# KiCad board cell-sim.kicad_pcb (continued)
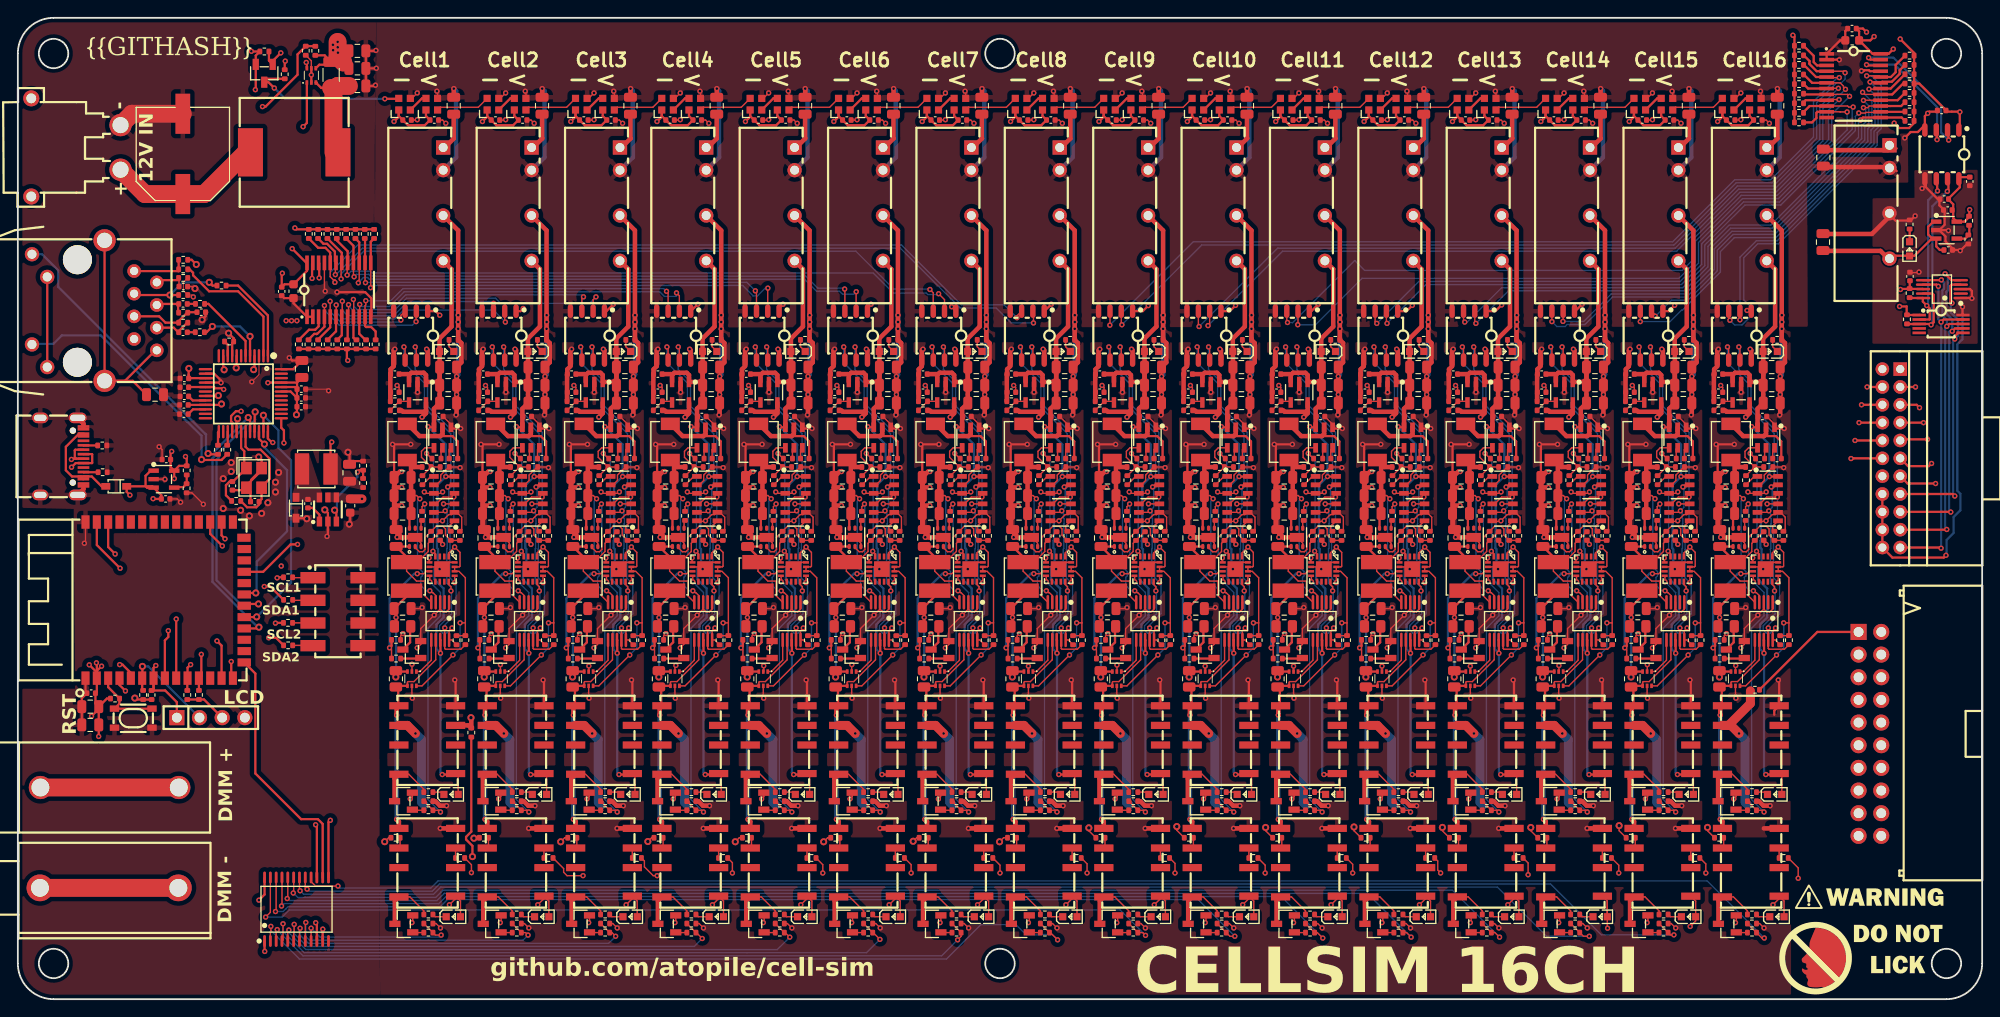
[diagram p0: board, top side]
## Routing (per net, layer and track width the routed paths; a pad name or vN(x,y) marks a point on that pad's centre or on a via; arc(x,y) is an arc through that point) (continued)
CELL14_I2C_SCL: length 44.2
  Top w0.15: v2(176.59,57.41) 176.82,57.65 U206.5 ; v2(176.31,54.74) 176.14,54.57 U208.5 ; v2(176.95,45.76) 176.95,46.24 176.7,46.49 U213.12 ; U214.6 171.81,72.98 v2(171.68,73.11) ; R414.1 177.03,40.27 U205.10 176.75,41.29 v2(177.06,41.61)
  Bottom w0.15: v2(177.06,41.61) 176.49,41.04 176.02,41.04 175.68,41.38 175.68,41.85 177.02,43.19 177.02,45.7 v2(176.95,45.76) 176.95,45.76 176.95,46.17 176.48,46.64 176.48,50.48 176.54,50.53 176.54,53.27 176.57,53.31 176.57,53.86 176.51,53.93 176.51,54.54 v2(176.31,54.74) 176.69,55.13 176.69,57.14 176.92,57.36 176.92,63.39 173.97,66.35 173.97,69.05 171.68,71.33 v2(171.68,73.11)
CELL14_I2C_SDA: length 44
  Top w0.15: U208.4 175.31,55.52 176.08,56.28 v2(177.27,56.28) ; v2(172.95,73.11) 173.07,72.99 U214.7 ; R413.1 178.06,39.23 176.33,39.23 176.25,39.31 U205.9 176.25,41.61 v2(176.25,41.62) ; v2(177.36,46.7) U213.13
  Bottom w0.15: v2(176.25,41.62) 176.25,41.93 177.52,43.2 177.52,46.53 v2(177.36,46.7) 176.83,47.23 176.83,50.4 176.84,50.41 176.84,53.15 177.27,53.58 v2(177.27,56.28) 177.27,63.54 174.32,66.49 174.32,69.21 172.95,70.57 v2(172.95,73.11)
CELL14_LDO_ENABLE: length 7.7
  Top w0.15: U213.5 174.5,49 v2(174.5,49.46) ; R402.1 173.71,55.21 v2(174.01,55.51)
  Bottom w0.15: v2(174.01,55.51) 174.03,55.48 174.03,49.93 v2(174.5,49.46)
CELL14_LDO_POWER_OUT_VCC: length 15.6
  Top w0.15: 175.74,52.4 175.71,52.4 R400.1 174.41,51.1 174.41,50.18 173.22,48.99 L30.1 171.98,47.97 173.09,46.87 174.01,46.87 174.01,45.23 U205.5
  Top w0.25: 172,48.99 172,49.56 C259.1 170.82,50.73 U209.1
CELL14_OUTPUT_RELAY_CONTROL: length 30.4
  Top w0.15: v2(174.58,46.78) 174.58,47.43 U213.8 ; R405.1 175.58,21.18 v2(175.78,20.98) ; 174.93,21.18 174.17,21.94 174.17,22.19
  Bottom w0.15: v2(174.58,46.78) 175.78,45.58 175.78,42.98 174.38,41.58 174.38,22.38 v2(175.78,20.98)
cell15-led_data: length 6.1
  Top w0.15: U244.4 189.9,99.97 185.65,99.97 U229.2
cell15-vcc: length 38.2
  Top w1: U225.6 181.96,30.69 v2(182.87,29.78)
  In1.Cu w0.5: v2(182.87,29.78) 183.62,29.03 193.32,29.03 202.91,38.62 U246.3
  Bottom w1: v2(182.87,29.78) 183.55,29.11 183.55,22.08 183.87,21.75
cell15.buck.ctrl_resistor-vfb: length 6.2
  Top w0.15: U221.4 183.94,61.8 183.55,61.41 183.55,60.73 R421.2 ; R422.1 R421.2 ; R421.2 184.62,59.65 R420.2
cell15.buck.dac-vout: length 1.7
  Top w0.15: R420.1 184.59,58.6 U220.1
cell15.buck.regulator-en: length 1.3
  Top w0.15: U221.5 185.74,61.64 R423.2
cell15.buck.regulator-sw: length 9.5
  Top w0.25: C273.2 187.6,62.52 187,63.12 185.66,63.12
  Top w0.5: L31.1 183.33,63.12 185.66,63.12 185.9,63.35 U221.2
cell15.buck.regulator-vbst: length 1.3
  Top w0.15: U221.6 186.64,61.6 C273.1
cell15.dmm_relay-gnd: length 1.1
  Top w0.15: U226.3 187.36,16.94 R443.1
cell15.dmm_relay-vcc: length 1.2
  Top w0.15: R442.1 181.15,17.08 U226.6
cell15.dmm_relay.fet-gate: length 1.3
  Top w0.15: Q44.1 182.6,7.46 R433.2
cell15.dmm_relay.indicator_led.resistor-cathode: length 1.6
  Top w0.15: R432.1 185.08,9.24 LED46.1
cell15.dmm_relay.relay-gnd: length 7.1
  Top w0.15: R432.2 183.81,9.9 182.24,11.46 U226.8
  Top w0.5: U226.8 180.57,11.01 Q44.3
cell15.gpio-p4: length 13.5
  Top w0.15: R435.1 180.19,39.16 v2(179.97,39.38) ; U227.7 184.05,47.96 183.78,47.69 v2(183.07,47.69)
  Top w0.25: R436.1 180.19,39.6 v2(179.97,39.38)
  Bottom w0.25: v2(179.97,39.38) 179.97,44.92 182.74,47.69 v2(183.07,47.69)
cell15.internal_ldo.feedback_div-out: length 2.6
  Top w0.15: R440.2 181.07,67.02 R441.1 182.02,67.02 U231.4
cell15.isolated_converter.led.resistor-cathode: length 1.5
  Top w0.15: R419.1 186.64,73.13 LED44.1
cell15.ldo.ctrl_resistor-fb: length 8.5
  Top w0.15: R424.2 186.24,52.02 186.24,52.71 185.9,53.05 185.23,53.05 R425.2 183.96,51.77 183.96,50.42 183.69,50.15 183.31,50.15 182.85,50.61 U223.2 182.85,50.56 ; 187.64,51.43 186.63,51.43
cell15.ldo.dac-vout: length 1.4
  Top w0.15: U222.1 186.62,53 186.62,52.44
cell15.ldo.regulator-en: length 0.9
  Top w0.15: R427.2 183.5,53.56 U223.4
cell15.load_switch.fet-gate: length 2.3
  Top w0.25: Q45.1 183.4,38.18 R435.2
cell15.load_switch.fet-n: length 3
  Top w0.25: R437.2 182.27,41.72 182.27,40 Q45.3
cell15.output_relay.fet-gate: length 1.6
  Top w0.15: Q43.1 182.6,21.18 184.06,21.18
cell15.output_relay.indicator_led.resistor-cathode: length 1.3
  Top w0.15: R429.1 185.81,23.21 LED45.1
cell15.output_relay.relay-gnd: length 7
  Top w0.15: U225.8 182.13,25.21 183.81,23.53 R429.2
  Top w0.5: U225.8 180.53,24.72 Q43.3
cell15.voltage_led.ic-vcc: length 2.3
  Top w0.25: U229.4 183.6,100.97 U230.2
CELL15_3V3_VCC: length 34.1
  Top w0.15: v2(186.02,55.52) 186.02,55.52 U222.3 ; v2(183.87,56.86) 184.02,56.7 U220.3 185.76,56.7 v2(185.91,56.86) ; v2(187.07,38.58) 183.61,35.12 U224.6 ; v2(187.87,42.18) 188.46,42.18 ; 188.46,42.18 R438.2 188.45,40.74 R439.2 ; 188.46,42.18 188.46,47.24 187.74,47.96 U227.14 U227.15 187.78,48.46 187.87,48.54 187.87,50.08 v2(187.26,50.69) 186.6,50.03 U227.1 ; C280.1 181.04,68.57 v2(180.82,68.79)
  Top w0.5: v2(184.12,72.86) 184.24,72.74 U228.8 ; 184.05,66 184.05,65.68 v2(183.61,65.24) ; 184.05,66 183.9,65.84 181.48,65.84 181.33,66 ; 184.05,66 U231.5
  Bottom w0.15: v2(187.87,42.18) 187.87,39.38 v2(187.07,38.58)
CELL15_5V_VCC: length 77.2
  Top w0.15: LED45.2 187.66,25 U225.1 ; 185.58,70.85 C266.1
  Top w0.25: C269.1 184.95,65.25 U221.3 184.35,64.1 v2(184.27,64.18) ; v2(185.87,25.18) 187.26,25.18 U225.1 ; v2(186.27,58.58) 187.22,58.58 U220.6 ; v2(185.67,38.78) 185.67,40.24 U219.8
  Top w0.5: 182.15,69.96 182.41,70.21 183.8,70.21 184.05,69.96 U231.1 185.23,69.18 C268.1 185.58,68.83 185.58,70.06 ; 182.15,69.96 182.05,70.06 181.3,70.06 ; 182.15,69.96 U231.3 ; 185.58,70.06 C267.1 184.95,66.19 U221.3 ; 185.58,70.06 185.58,72.59 LED44.2 185.57,74.05 186.91,75.4 186.91,81.83 U218.6
  Bottom w0.25: v2(185.87,25.18) 185.67,25.38 v2(185.67,38.78) 185.23,39.23 185.23,42 186.02,42.79 186.02,46.03 185,47.05 185,48.45 185.41,48.85 185.41,50.44 185.27,50.58 185.27,51.38 185.32,51.43 185.32,57.63 v2(186.27,58.58) 186.27,62.18 v2(184.27,64.18)
CELL15_BUCK_ENABLE: length 12.8
  Top w0.15: v2(184.83,50.21) 185.1,49.94 U227.4 ; R423.1 184.7,60.6 v2(184.12,61.17)
  Bottom w0.15: v2(184.83,50.21) 184.88,50.26 184.88,60.41 v2(184.12,61.17)
CELL15_BUCK_POWER_OUT_VCC: length 24.3
  Top w0.15: U219.4 185.14,45.24 184.82,45.57 184.74,45.57 184.53,45.78 v2(184.48,45.78) ; v2(183.36,56.09) 183,56.45 C270.1
  Top w0.25: C271.1 182.2,54.25 U223.6 ; 182.53,58.63 C272.1
  Top w0.5: C271.1 182.38,60.01 L31.2 182.74,59.65 R421.1
  Bottom w0.15: v2(184.48,45.78) 184.08,45.78 183.47,46.38 183.47,47.28 183.65,47.45 183.65,47.93 183.31,48.27 183.19,48.27 183.1,48.35 183.1,55.84 v2(183.36,56.09)
CELL15_CURRENT_SENSE_OUTPUT: length 4.5
  Top w0.15: U224.1 183.37,36.72 184.64,37.99 U219.6
CELL15_CURRENT_SENSE_POWER_OUT_VCC: length 24.3
  Top w0.15: U219.7 185.14,38.04 182.7,35.6 182.05,35.6 181.97,35.52 U224.4
  Top w0.25: R428.2 180.81,35.12 U224.4 ; 180.7,35 180.94,34.75 180.94,32.89
  Top w0.5: v2(180.76,20.16) 181.02,19.91 U226.5 ; U225.5 180.76,32.64 v2(180.76,31.84)
  Bottom w0.5: v2(180.76,20.16) v2(180.76,31.84)
CELL15_DMM_RELAY_CONTROL: length 159.5
  Top w0.15: v2(32.4,12.33) 32.19,12.54 U16.17 ; R434.1 183.81,8.48 R433.1 185.09,7.21 v2(185.48,7.21)
  Bottom w0.15: v2(185.48,7.21) 177.36,7.21 171.66,12.91 47.21,12.91 46.41,12.11 32.62,12.11 v2(32.4,12.33)
CELL15_FILTER_POWER_OUT_VCC: length 135.7
  Top w0.15: C285.2 196.75,64.44 U235.1 ; v2(192.19,22.45) 192.43,22.69 Q46.2 ; v2(195.81,50.98) 195.54,51.25 195.54,51.44 ; v2(190.72,51.78) 190.61,51.88 C291.2 190.61,58.25 C288.2 190.57,58.48 ; U238.5 192.37,33.78 v2(192.42,33.74) ; v2(195.48,48.21) 195.89,48.21 196.64,48.96 U241.16 196.5,48.96 U241.17 195.5,48.46 U241.6 ; C292.2 193.39,43.78 v2(193.51,43.9) ; v2(197.77,59.58) 197.7,59.65 R447.2 196.5,59.65 195.6,58.75 195.6,58.14 195.11,57.65 U234.2 ; U238.2 192.37,37.37 v2(192.4,37.4) ; U236.6 194.84,53.61 194.78,53.55 195.73,53.55 v2(195.8,53.62) 196.49,54.32 196.81,54.32 197.07,54.57 U236.2 197.41,54.57 197.95,54.03 197.95,52.65 R451.2 ; C286.2 190.38,56.52 ; U233.1 196.54,43.73 196.21,43.4 195.87,43.4 195.54,43.73 U233.3 195.54,43.72 v2(194.87,43.05) 193.36,41.54 Q48.2 193.36,39.77 v2(192.97,39.38) ; v2(191.37,40.98) 191.11,40.72 R461.2 ; C284.2 197.38,67.78 v2(197.38,67.78) ; C287.2 190.38,55.1 190.61,55.33 ; 197.38,65.55 v2(197.32,65.49) ; C282.2 v2(197.38,69.81) ; U237.3 193.4,51.11 U237.7
  Top w0.25: v2(197.83,63.97) 196.88,63.97 U235.1 ; v2(197.17,35.78) 197.27,35.69 U239.4 196.72,32.34 196.72,31.88 ; C288.2 190.38,62.02 v2(190.21,62.19) v2(192.24,62.19) ; 180.7,42.02 v2(180.7,42.78) 180.7,43.58 180.5,43.78 181.9,45.18 181.9,45.79 ; v1(180.67,36.11) 180.68,36.11 R428.1 180.78,36.72 U224.3
  Top w0.5: 191.23,51.76 190.38,52.61 C288.2 ; 191.23,51.76 U237.7 ; 191.23,51.76 190.73,51.76 v2(190.72,51.78) ; v2(196.25,21.68) 195.51,21.68 195,22.19 R456.2 ; U240.4 195.55,19.14 ; v2(190.46,72.86) 190.33,72.73 U242.5 190.33,70.95 189.98,70.6 C295.2 189.95,70.03 R466.2 ; 197.56,75.91 R444.2 197.92,73.54 197.92,71.38 C282.2 ; 197.56,75.91 197.56,76.67 ; 197.56,75.91 v2(197.56,75.91) ; 197.38,65.55 C283.2 v2(197.38,67.78) v2(197.38,69.81) ; U245.2 v2(193,68.03) ; v2(191.23,59.14) 191.04,59.14 190.57,58.67 190.57,58.48 ; U232.4 197.56,86.17 197.56,76.67 ; v2(191.23,57.36) 190.38,57.36 190.38,56.52 ; 197.56,76.67 v2(197.56,76.67) ; 190.61,55.33 v2(191.23,55.33)
  In1.Cu w0.15: 192.42,37.38 v2(192.4,37.4)
  In1.Cu w1: v2(192.42,33.74) 192.42,37.38
  In2.Cu w0.25: v1(180.67,36.11) 182.33,34.45 191.7,34.45 v2(192.42,33.74)
  Bottom w0.25: v1(180.67,36.11) 180.7,36.13 v2(180.7,42.78)
  Bottom w0.5: v2(197.56,76.67) 197.56,69.99 v2(197.38,69.81)
  vias: v2(197.56,75.14)
CELL15_I2C_SCL: length 44.2
  Top w0.15: U220.5 186.72,57.65 v2(186.49,57.41) ; R439.1 186.93,40.27 U219.10 186.64,41.29 v2(186.96,41.61) ; v2(186.2,54.74) 186.04,54.57 U222.5 ; U227.12 186.6,46.49 186.85,46.24 v2(186.85,45.76) ; v2(181.58,73.11) 181.71,72.98 U228.6
  Bottom w0.15: v2(186.96,41.61) 186.39,41.04 185.91,41.04 185.58,41.38 185.58,41.85 186.91,43.19 186.91,45.7 v2(186.85,45.76) 186.85,46.17 186.38,46.64 186.38,50.48 186.44,50.53 186.44,53.27 186.47,53.31 186.47,53.86 186.41,53.93 186.41,54.54 v2(186.2,54.74) 186.59,55.13 186.59,57.14 186.82,57.36 186.82,63.39 183.87,66.35 183.87,69.05 181.58,71.33 v2(181.58,73.11)
CELL15_I2C_SDA: length 44
  Top w0.15: R438.1 187.96,39.23 186.23,39.23 186.14,39.31 U219.9 186.14,41.61 v2(186.15,41.62) ; U222.4 185.21,55.52 185.97,56.28 v2(187.17,56.28) ; v2(187.26,46.7) U227.13 ; v2(182.85,73.11) 182.97,72.99 U228.7
  Bottom w0.15: v2(186.15,41.62) 186.15,41.93 187.42,43.2 187.42,46.53 v2(187.26,46.7) 186.73,47.23 186.73,50.4 186.74,50.41 186.74,53.15 187.17,53.58 v2(187.17,56.28) 187.17,63.54 184.22,66.49 184.22,69.21 182.85,70.57 v2(182.85,73.11)
CELL15_LDO_ENABLE: length 7.7
  Top w0.15: v2(184.4,49.46) 184.4,49 U227.5 ; v2(183.91,55.51) 183.61,55.21 R427.1
  Bottom w0.15: v2(183.91,55.51) 183.93,55.48 183.93,49.93 v2(184.4,49.46)
CELL15_LDO_POWER_OUT_VCC: length 15.6
  Top w0.15: U219.5 183.91,45.23 183.91,46.87 182.99,46.87 181.88,47.97 L32.1 183.11,48.99 184.31,50.18 184.31,51.1 R425.1 185.6,52.4 185.64,52.4
  Top w0.25: 181.9,48.99 181.9,49.56 C275.1 180.72,50.73 U223.1
CELL15_OUTPUT_RELAY_CONTROL: length 30.4
  Top w0.15: U227.8 184.47,47.43 v2(184.47,46.78) ; R430.1 185.48,21.18 v2(185.67,20.98) ; 184.83,21.18 184.06,21.94 184.06,22.19
  Bottom w0.15: v2(184.47,46.78) 185.67,45.58 185.67,42.98 184.27,41.58 184.27,22.38 v2(185.67,20.98)
cell16-vcc: length 36.9
  Top w1: 194.05,34.56 194.05,33.14 191.59,30.69 U239.6 191.86,30.69 v2(192.77,29.78)
  In1.Cu w0.25: 205,39.85 207.38,39.85 U246.2
  In1.Cu w0.5: 205,39.85 203.15,39.85 193.08,29.78 v2(192.77,29.78)
  Bottom w1: v2(192.77,29.78) 193.45,29.11 193.45,22.08 193.77,21.75
cell16.buck.ctrl_resistor-vfb: length 6.2
  Top w0.15: R446.2 194.52,59.65 R445.2 ; R446.2 R447.1 ; R446.2 193.44,60.73 193.44,61.41 193.83,61.8 U235.4
cell16.buck.dac-vout: length 1.7
  Top w0.15: U234.1 194.49,58.6 R445.1
cell16.buck.regulator-en: length 1.3
  Top w0.15: U235.5 195.64,61.64 R448.2
cell16.buck.regulator-sw: length 9.5
  Top w0.25: 195.56,63.12 196.9,63.12 197.5,62.52 C289.2
  Top w0.5: U235.2 195.8,63.35 195.56,63.12 193.23,63.12 L33.1
cell16.buck.regulator-vbst: length 1.3
  Top w0.15: C289.1 196.54,61.6 U235.6
cell16.dmm_relay-gnd: length 1.1
  Top w0.15: R468.1 197.26,16.94 U240.3
cell16.dmm_relay-vcc: length 1.2
  Top w0.15: R467.1 191.05,17.08 U240.6
cell16.dmm_relay.fet-gate: length 1.3
  Top w0.15: R458.2 192.5,7.46 Q47.1
cell16.dmm_relay.indicator_led.resistor-cathode: length 1.6
  Top w0.15: LED49.1 194.98,9.24 R457.1
cell16.dmm_relay.relay-gnd: length 7.1
  Top w0.15: U240.8 192.14,11.46 193.71,9.9 R457.2
  Top w0.5: Q47.3 190.47,11.01 U240.8
cell16.gpio-p4: length 13.5
  Top w0.15: R460.1 190.09,39.16 v2(189.87,39.38) ; U241.7 193.95,47.96 193.68,47.69 v2(192.97,47.69)
  Top w0.25: R461.1 190.09,39.6 v2(189.87,39.38)
  Bottom w0.25: v2(189.87,39.38) 189.87,44.92 192.64,47.69 v2(192.97,47.69)
cell16.internal_ldo.feedback_div-out: length 2.6
  Top w0.15: R465.2 190.97,67.02 R466.1 191.92,67.02 U245.4
cell16.isolated_converter.led.resistor-cathode: length 1.5
  Top w0.15: LED47.1 196.54,73.13 R444.1
cell16.ldo.ctrl_resistor-fb: length 8.5
  Top w0.15: R449.2 196.13,52.02 196.13,52.71 195.8,53.05 195.13,53.05 R450.2 193.85,51.77 193.85,50.42 193.59,50.15 193.2,50.15 192.75,50.61 U237.2 192.75,50.56 ; 197.54,51.43 196.52,51.43
cell16.ldo.dac-vout: length 1.4
  Top w0.15: 196.52,52.44 196.52,53 U236.1
cell16.ldo.regulator-en: length 0.9
  Top w0.15: U237.4 193.4,53.56 R452.2
cell16.load_switch.fet-gate: length 2.3
  Top w0.25: Q48.1 193.3,38.18 R460.2
cell16.load_switch.fet-n: length 3
  Top w0.25: R462.2 192.17,41.72 192.17,40 Q48.3
cell16.output_relay.fet-gate: length 1.6
  Top w0.15: 193.96,21.18 192.49,21.18 Q46.1
cell16.output_relay.indicator_led.resistor-cathode: length 1.3
  Top w0.15: LED48.1 195.71,23.21 R454.1
cell16.output_relay.relay-gnd: length 7
  Top w0.15: R454.2 193.71,23.53 192.03,25.21 U239.8
  Top w0.5: Q46.3 190.43,24.72 U239.8
cell16.voltage_led.ic-vcc: length 2.3
  Top w0.25: U243.4 193.5,100.97 U244.2
CELL16_3V3_VCC: length 34.1
  Top w0.15: U238.6 193.51,35.12 v2(196.97,38.58) ; v2(195.81,56.86) 195.66,56.7 U234.3 193.92,56.7 v2(193.77,56.86) ; v2(190.72,68.79) 190.94,68.57 C296.1 ; 198.36,42.18 R463.2 198.35,40.74 R464.2 ; 198.36,42.18 198.36,47.24 197.64,47.96 U241.14 U241.15 197.68,48.46 197.76,48.54 197.76,50.08 v2(197.16,50.69) 196.5,50.03 U241.1 ; 198.36,42.18 v2(197.77,42.18) ; v2(195.92,55.52) 195.92,55.52 U236.3
  Top w0.5: U245.5 193.95,66 ; 193.95,66 193.95,65.68 v2(193.51,65.24) ; 193.95,66 193.8,65.84 191.38,65.84 191.23,66 ; v2(194.02,72.86) 194.14,72.74 U242.8
  Bottom w0.15: v2(196.97,38.58) 197.77,39.38 v2(197.77,42.18)
CELL16_5V_VCC: length 77.2
  Top w0.15: 195.48,70.85 C282.1 ; U239.1 197.56,25 LED48.2
  Top w0.25: v2(195.77,25.18) 197.16,25.18 U239.1 ; v2(194.17,64.18) 194.25,64.1 U235.3 194.85,65.25 C285.1 ; U234.6 197.12,58.58 v2(196.17,58.58) ; U233.8 195.57,40.24 v2(195.57,38.78)
  Top w0.5: 195.48,70.06 195.48,68.83 C284.1 195.13,69.18 U245.1 193.95,69.96 193.7,70.21 192.31,70.21 192.05,69.96 ; 195.48,70.06 C283.1 194.85,66.19 U235.3 ; 195.48,70.06 195.48,72.59 LED47.2 195.47,74.05 196.81,75.4 196.81,81.83 U232.6 ; U245.3 192.05,69.96 ; 192.05,69.96 191.95,70.06 191.2,70.06
  Bottom w0.25: v2(195.77,25.18) 195.57,25.38 v2(195.57,38.78) 195.13,39.23 195.13,42 195.92,42.79 195.92,46.03 194.9,47.05 194.9,48.45 195.3,48.85 195.3,50.44 195.17,50.58 195.17,51.38 195.22,51.43 195.22,57.63 v2(196.17,58.58) 196.17,62.18 v2(194.17,64.18)
CELL16_BUCK_ENABLE: length 12.8
  Top w0.15: v2(194.73,50.21) 195,49.94 U241.4 ; v2(194.02,61.17) 194.59,60.6 R448.1
  Bottom w0.15: v2(194.73,50.21) 194.78,50.26 194.78,60.41 v2(194.02,61.17)
CELL16_BUCK_POWER_OUT_VCC: length 24.3
  Top w0.15: v2(194.38,45.78) 194.43,45.78 194.63,45.57 194.71,45.57 195.04,45.24 U233.4 ; v2(193.26,56.09) 192.9,56.45 C286.1
  Top w0.25: C287.1 192.1,54.25 U237.6 ; 192.43,58.63 C288.1
  Top w0.5: C287.1 192.28,60.01 L33.2 192.64,59.65 R446.1
  Bottom w0.15: v2(194.38,45.78) 193.98,45.78 193.37,46.38 193.37,47.28 193.55,47.45 193.55,47.93 193.21,48.27 193.09,48.27 193,48.35 193,55.84 v2(193.26,56.09)
CELL16_CURRENT_SENSE_OUTPUT: length 4.5
  Top w0.15: U233.6 194.54,37.99 193.27,36.72 U238.1
CELL16_CURRENT_SENSE_POWER_OUT_VCC: length 24.3
  Top w0.15: U233.7 195.04,38.04 192.6,35.6 191.95,35.6 191.87,35.52 U238.4
  Top w0.25: R453.2 190.7,35.12 U238.4 ; 190.59,35 190.84,34.75 190.84,32.89
  Top w0.5: U240.5 190.92,19.91 v2(190.66,20.16) ; v2(190.66,31.84) 190.66,32.64 U239.5
  Bottom w0.5: v2(190.66,20.16) v2(190.66,31.84)
CELL16_DMM_RELAY_CONTROL: length 169.1
  Top w0.15: v2(35.85,12.68) 33.34,12.68 32.84,13.18 U16.16 ; R459.1 193.71,8.48 R458.1 195.34,6.85 v2(195.6,6.85)
  Bottom w0.15: v2(35.85,12.68) 36.08,12.46 46.26,12.46 47.06,13.26 189.19,13.26 v2(195.6,6.85)
CELL16_FILTER_POWER_OUT_VCC: length 13.2
  Top w0.25: U238.3 190.68,36.72 R453.1 190.58,36.11 v1(190.57,36.11) ; 190.59,42.02 v2(190.59,42.78) 190.59,43.58 190.39,43.78 191.79,45.18 191.79,45.79
  Bottom w0.25: v1(190.57,36.11) 190.59,36.13 v2(190.59,42.78)
CELL16_I2C_SCL: length 44.2
  Top w0.15: v2(196.86,41.61) 196.54,41.29 U233.10 196.83,40.27 R464.1 ; v2(191.48,73.11) 191.61,72.98 U242.6 ; v2(196.1,54.74) 195.93,54.57 U236.5 ; U234.5 196.62,57.65 v2(196.38,57.41) ; U241.12 196.5,46.49 196.75,46.24 v2(196.75,45.76)
  Bottom w0.15: v2(191.48,73.11) 191.48,71.33 193.77,69.05 193.77,66.35 196.72,63.39 196.72,57.36 196.49,57.14 196.49,55.13 v2(196.1,54.74) 196.31,54.54 196.31,53.93 196.37,53.86 196.37,53.31 196.33,53.27 196.33,50.53 196.28,50.48 196.28,46.64 196.75,46.17 v2(196.75,45.76) 196.81,45.7 196.81,43.19 195.48,41.85 195.48,41.38 195.81,41.04 196.29,41.04 v2(196.86,41.61)
CELL16_I2C_SDA: length 44
  Top w0.15: U242.7 192.87,72.99 v2(192.75,73.11) ; U236.4 195.11,55.52 195.87,56.28 v2(197.07,56.28) ; v2(197.16,46.7) U241.13 ; R463.1 197.85,39.23 196.12,39.23 196.04,39.31 U233.9 196.04,41.61 v2(196.05,41.62)
  Bottom w0.15: v2(192.75,73.11) 192.75,70.57 194.12,69.21 194.12,66.49 197.07,63.54 v2(197.07,56.28) 197.07,53.58 196.63,53.15 196.63,50.41 196.63,50.4 196.63,47.23 v2(197.16,46.7) 197.32,46.53 197.32,43.2 196.05,41.93 v2(196.05,41.62)
CELL16_LDO_ENABLE: length 7.7
  Top w0.15: R452.1 193.5,55.21 v2(193.8,55.51) ; v2(194.3,49.46) 194.3,49 U241.5
  Bottom w0.15: v2(193.8,55.51) 193.83,55.48 193.83,49.93 v2(194.3,49.46)
CELL16_LDO_POWER_OUT_VCC: length 15.6
  Top w0.15: 195.54,52.4 195.5,52.4 R450.1 194.2,51.1 194.2,50.18 193.01,48.99 L34.1 191.78,47.97 192.89,46.87 193.8,46.87 193.8,45.23 U233.5
  Top w0.25: 191.79,48.99 191.79,49.56 C291.1 190.62,50.73 U237.1
CELL16_OUTPUT_RELAY_CONTROL: length 30.4
  Top w0.15: R455.1 195.38,21.18 v2(195.57,20.98) ; 194.73,21.18 193.96,21.94 193.96,22.19 ; U241.8 194.37,47.43 v2(194.37,46.78)
  Bottom w0.15: v2(195.57,20.98) 194.17,22.38 194.17,41.58 195.57,42.98 195.57,45.58 v2(194.37,46.78)
cgnd: length 28.4
  Top w0.25: C4.1 12.86,69.31 U5.14 ; U5.14 11.99,69.31 15.41,72.73 U5.8 ; U5.14 U5.13
dm: length 36.3
  Top w0.25: 6.55,60.59 6.09,60.59 v2(6,60.5) ; 6.55,60.59 U3.A7 ; 6.55,60.59 6.4,60.59 6.38,60.61 6.38,61.52 6.44,61.59 U3.B7 ; U1.13 22.82,39.63 v2(22.3,40.15)
  In2.Cu w0.25: v2(22.3,40.15) 22.3,43.86 7.16,59 5.75,59 5.39,59.37 5.39,59.89 v2(6,60.5)
DMM_MUX_ENABLE: length 40.4
  Top w0.25: U1.5 12.66,36.56 11.72,37.5 v2(11.4,37.5) ; U16.15 33.49,19.41 v2(33.35,19.55)
  In2.Cu w0.25: v2(11.4,37.5) 11.15,37.25 11.15,33.2 24.75,19.6 33.3,19.6 v2(33.35,19.55)
DMM_MUX_S0: length 70
  Top w0.25: U16.10 33.49,8.44 v2(33.36,8.57) ; v2(11.45,48.3) 8.85,50.9 U1.39
  In2.Cu w0.25: v2(11.45,48.3) 11.45,48.03 10.45,47.03 10.45,29.99 11.45,28.99 11.45,13.3 17.7,7.05 32.9,7.05 33.47,7.62 33.47,8.46 v2(33.36,8.57)
DMM_MUX_S1: length 69.3
  Top w0.25: v2(34.15,7.85) 34.14,7.84 U16.11 ; U1.38 10.12,50.68 v2(10.9,49.9)
  In2.Cu w0.25: 11,28.75 11,13.11 17.51,6.6 33.09,6.6 34.15,7.66 v2(34.15,7.85) ; 11,28.75 10,29.75 10,47.22 10.83,48.04 10.83,49.82 v2(10.9,49.9) ; 11,28.75 11,28.8
DMM_MUX_S2: length 28.8
  Top w0.25: U16.14 34.14,19.64 33.61,20.17 31.73,20.17 26.6,25.3 26.6,36.5 U1.15
DMM_MUX_S3: length 38.5
  Top w0.25: U1.4 11.39,35.21 v2(12.05,34.55) ; v2(35,20.05) 34.79,19.84 U16.13
  In2.Cu w0.25: v2(35,20.05) 34.88,20.17 24.81,20.17 11.6,33.39 11.6,34.1 v2(12.05,34.55)
DMM_OUT_GND: length 233.8
  Top w0.15: R393.2 169.15,15.26 v2(169.15,13.95) ; v2(90.15,14.14) 90.15,15.08 R193.2 ; v2(129.6,14.14) 129.6,15.22 R293.2 ; R218.2 100.05,15.07 v2(100.05,14.14) ; v2(119.75,14.14) 119.75,15.17 R268.2 ; R343.2 149.5,15.12 v2(149.5,14.14) ; R143.2 70.17,15.49 70.17,14.83 71.16,13.84 v2(71.6,13.84) ; v2(50.8,14.18) 50.8,15.07 R93.2 ; R168.2 80.03,15.3 v2(80.03,14.14) ; v2(110,14.14) 110,15.02 R243.2 ; v2(159.35,14.14) 159.02,14.47 159.02,15.49 R368.2 ; R318.2 139.7,15.02 v2(139.7,14.14) ; v2(189.05,14.14) 189.05,15.16 R443.2 ; R118.2 61.12,14.64 61.12,14.23 61.51,13.84 v2(63.3,13.84) ; R468.2 199.4,14.71 v2(199.4,13.55) ; v2(179.3,14.14) 179.3,15.01 R418.2
  Top w2: U9.1 U9.2
  In2.Cu w2: v2(199.4,13.55) 198.77,14.18 v2(50.8,14.18) 19.68,14.18 U9.1
DMM_OUT_VCC: length 223.1
  Top w0.15: R92.2 41.53,18.09 v1(41.09,17.65) ; v1(139.75,19.24) 139.75,18.88 R342.2 ; v1(129.8,19.35) 129.8,18.93 R317.2 ; v1(60.8,17.64) 61.25,18.09 R142.2 ; R167.2 70.98,18.09 v1(70.56,17.67) ; v1(169.44,19.24) 169.44,18.88 R417.2 ; R242.2 100.67,18.09 v1(100.27,17.7) ; R267.2 110.4,18.09 v1(109.95,17.64) ; v1(159.55,19.25) 159.55,18.88 R392.2 ; v1(51.08,18.04) 51.13,18.09 R117.2 ; R292.2 119.95,18.88 v1(119.95,19.2) ; v1(80.35,17.64) 80.8,18.09 R192.2 ; v1(149.65,19.3) 149.65,18.88 R367.2 ; v1(189.24,19.25) 189.24,18.88 R467.2 ; R442.2 179.34,18.88 v1(179.34,19.45) ; R217.2 90.7,18.09 v1(90.25,17.64)
  Top w2: U8.1 U8.2
  In2.Cu w0.15: 179.35,17.64 179.34,17.65 v1(179.34,19.45) ; 159.6,17.64 159.55,17.7 v1(159.55,19.25) ; v1(169.44,19.24) 169.44,17.8 169.6,17.64 ; v1(139.75,19.24) 139.75,17.74 139.65,17.64 ; v1(129.8,19.35) 129.8,17.84 130,17.64 ; v1(149.65,19.3) 149.65,17.69 149.6,17.64 ; 119.95,17.64 119.95,17.65 v1(119.95,19.2) ; v1(189.24,19.25) 189.24,18.2 189.79,17.64
  In2.Cu w2: 190.05,17.9 189.79,17.64 v1(109.95,17.64) v1(90.25,17.64) v1(80.35,17.64) v1(60.8,17.64) 24.11,17.64 U8.1
dp: length 36.3
  Top w0.25: v2(23.9,37.85) 23.9,36.17 U1.14 ; v2(6.01,59.63) 6.47,60.09 U3.B6 8.3,60.09 8.33,60.11 8.33,61.06 8.29,61.1 7.36,61.1 U3.A6
  In2.Cu w0.25: v2(23.9,37.85) 23.9,42.9 7.17,59.63 v2(6.01,59.63)
ethernet.rx_minus_damping-vcc: length 0.9
  Top w0.25: C6.1 18.99,74.76 R11.2
ethernet.rx_plus_damping-vcc: length 1
  Top w0.25: R12.2 18.94,77.94 18.93,77.93
ETHERNET_INTERRUPT: length 19.6
  Top w0.25: v2(28.55,62.4) 28.45,62.4 28.01,62.84 U4.36 ; U1.28 22.82,51.98 v2(23.2,51.6)
  In1.Cu w0.25: v2(28.55,62.4) 30.3,60.65 30.3,55.99 25.91,51.6 v2(23.2,51.6)
ETHERNET_RESET: length 23
  Top w0.25: v2(22.9,50.8) 21.55,52.15 U1.29 ; U4.37 29.5,65.11 29.5,64.05 29.8,63.75 v2(29.8,62.35)
  In1.Cu w0.25: v2(29.8,62.35) 30.75,61.4 30.75,55.8 25.75,50.8 v2(22.9,50.8)
exres1: length 1.8
  Top w0.25: U4.10 23.51,73.36 R15.1
idc_vsh.connector-gnd: length 175.2
  Top w0.25: v1(50.91,15.98) 50.91,17.18 50.2,17.9 50.2,18.19 50.78,18.78 R470.2
  In1.Cu w0.5: v1(50.91,15.98) 53.34,13.55 60.75,13.55 64.47,9.83 167.19,9.83 167.66,10.3 194.99,10.3 202.99,18.3 U246.19
idc_vsh.connector-vcc: length 13.8
  Top w0.25: U246.1 201.55,41.16 R469.2
INPUT_CURRENT_SENSOR_OUTPUT: length 61.5
  Top w0.25: v2(31.95,97.8) 32.37,98.22 U7.1 ; U1.23 27.48,47.9 30.55,50.97 v2(31.33,50.97)
  In1.Cu w0.25: v2(31.95,97.8) 32.38,97.37 32.38,86.5 34.38,84.51 34.38,80.59 34.01,80.22 33.9,80.22 33.28,79.6 33.28,52.93 v2(31.33,50.97)
input_filter.C1-vcc: length 17.1
  Top w2: 25.55,94.92 20.87,90.25 C20.1 14.23,90.25 J1.2
input_filter.L1-vcc: length 11.4
  Top w0.25: 33.5,102.7 33.45,102.75 U7.3 33.98,102.14 R17.1
  Top w2: 35.35,101.88 35.84,102.36 C21.1 ; 35.35,101.88 35.35,94.92 ; 35.35,101.88 R17.1
ldo3v3.feedback_div-out: length 2.6
  Top w0.25: U14.4 17.57,57.4 18.52,57.4 R61.1 18.91,57.79 R60.2
LED_DATA_3V3: length 80.3
  Top w0.25: v2(26.6,101.95) 26.64,101.99 U15.2 26.64,105.77 R62.2 26.17,106.23 v2(26.15,106.25) ; v2(16.85,41.3) 16.85,40.6 16.47,40.21 U1.8
  In1.Cu w0.25: v2(26.6,101.95) 31.93,96.62 31.93,55.92 17.31,41.3 v2(16.85,41.3)
LED_DATA_5V: length 18.3
  Top w0.25: v2(28.73,102.12) 28.06,102.78 U15.3 27.98,103.17 R63.2 ; U34.4 42.61,100.92 v2(41.1,100.92)
  Bottom w0.25: v2(28.73,102.12) 29.92,100.92 v2(41.1,100.92)
linkled: length 1.6
  Top w0.25: U4.25 22.42,63.53 R4.1
lled_minus: length 32.3
  Top w0.25: R4.2 21.4,61.07 v1(21.31,61.16)
  Bottom w0.25: U5.9 2.71,83.5 4.52,81.69 4.52,79.84 21,63.36 21,63.35 21.08,63.27 21.08,61.39 v1(21.31,61.16)
micro.ic-en: length 8.4
  Top w0.25: 15.01,32.56 10.81,32.56 11.38,33.12 11.38,33.68 R1.2 10.12,34.97 U1.3
micro.ic-vcc: length 78.2
  Top w0.25: v2(27.4,100.05) 27.75,100.05 31.33,103.63 31.33,105.9 R19.1 33.31,106.82 33.31,106.81 ; v2(17.74,42.61) 17.73,42.61 U1.9
  In1.Cu w0.25: v2(27.4,100.05) 27.4,93.35 27.38,93.32 27.38,69.32 19.85,61.8 19.85,59.85 19.9,59.8 19.9,44.77 v2(17.74,42.61)
MICRO_I2C_1_SCL: length 69
  Top w0.15: 29.75,47.35 29.75,47.35
  Top w0.25: v2(33.75,80.85) 33.75,82.47 U11.22 ; v2(29.04,47.22) 29.1,47.29 R471.1 ; R55.1 13.93,34.72 U1.6 13.95,36.01 v1(13.95,37.3)
  In1.Cu w0.25: v1(13.95,37.3) 23.9,47.25 29.02,47.25 v2(29.04,47.22) 29.37,47.22 30.7,48.55 30.7,53.41 32.83,55.54 32.83,79.79 33.75,80.71 v2(33.75,80.85)